# KiCad board FC_V5c.kicad_pcb (continued)
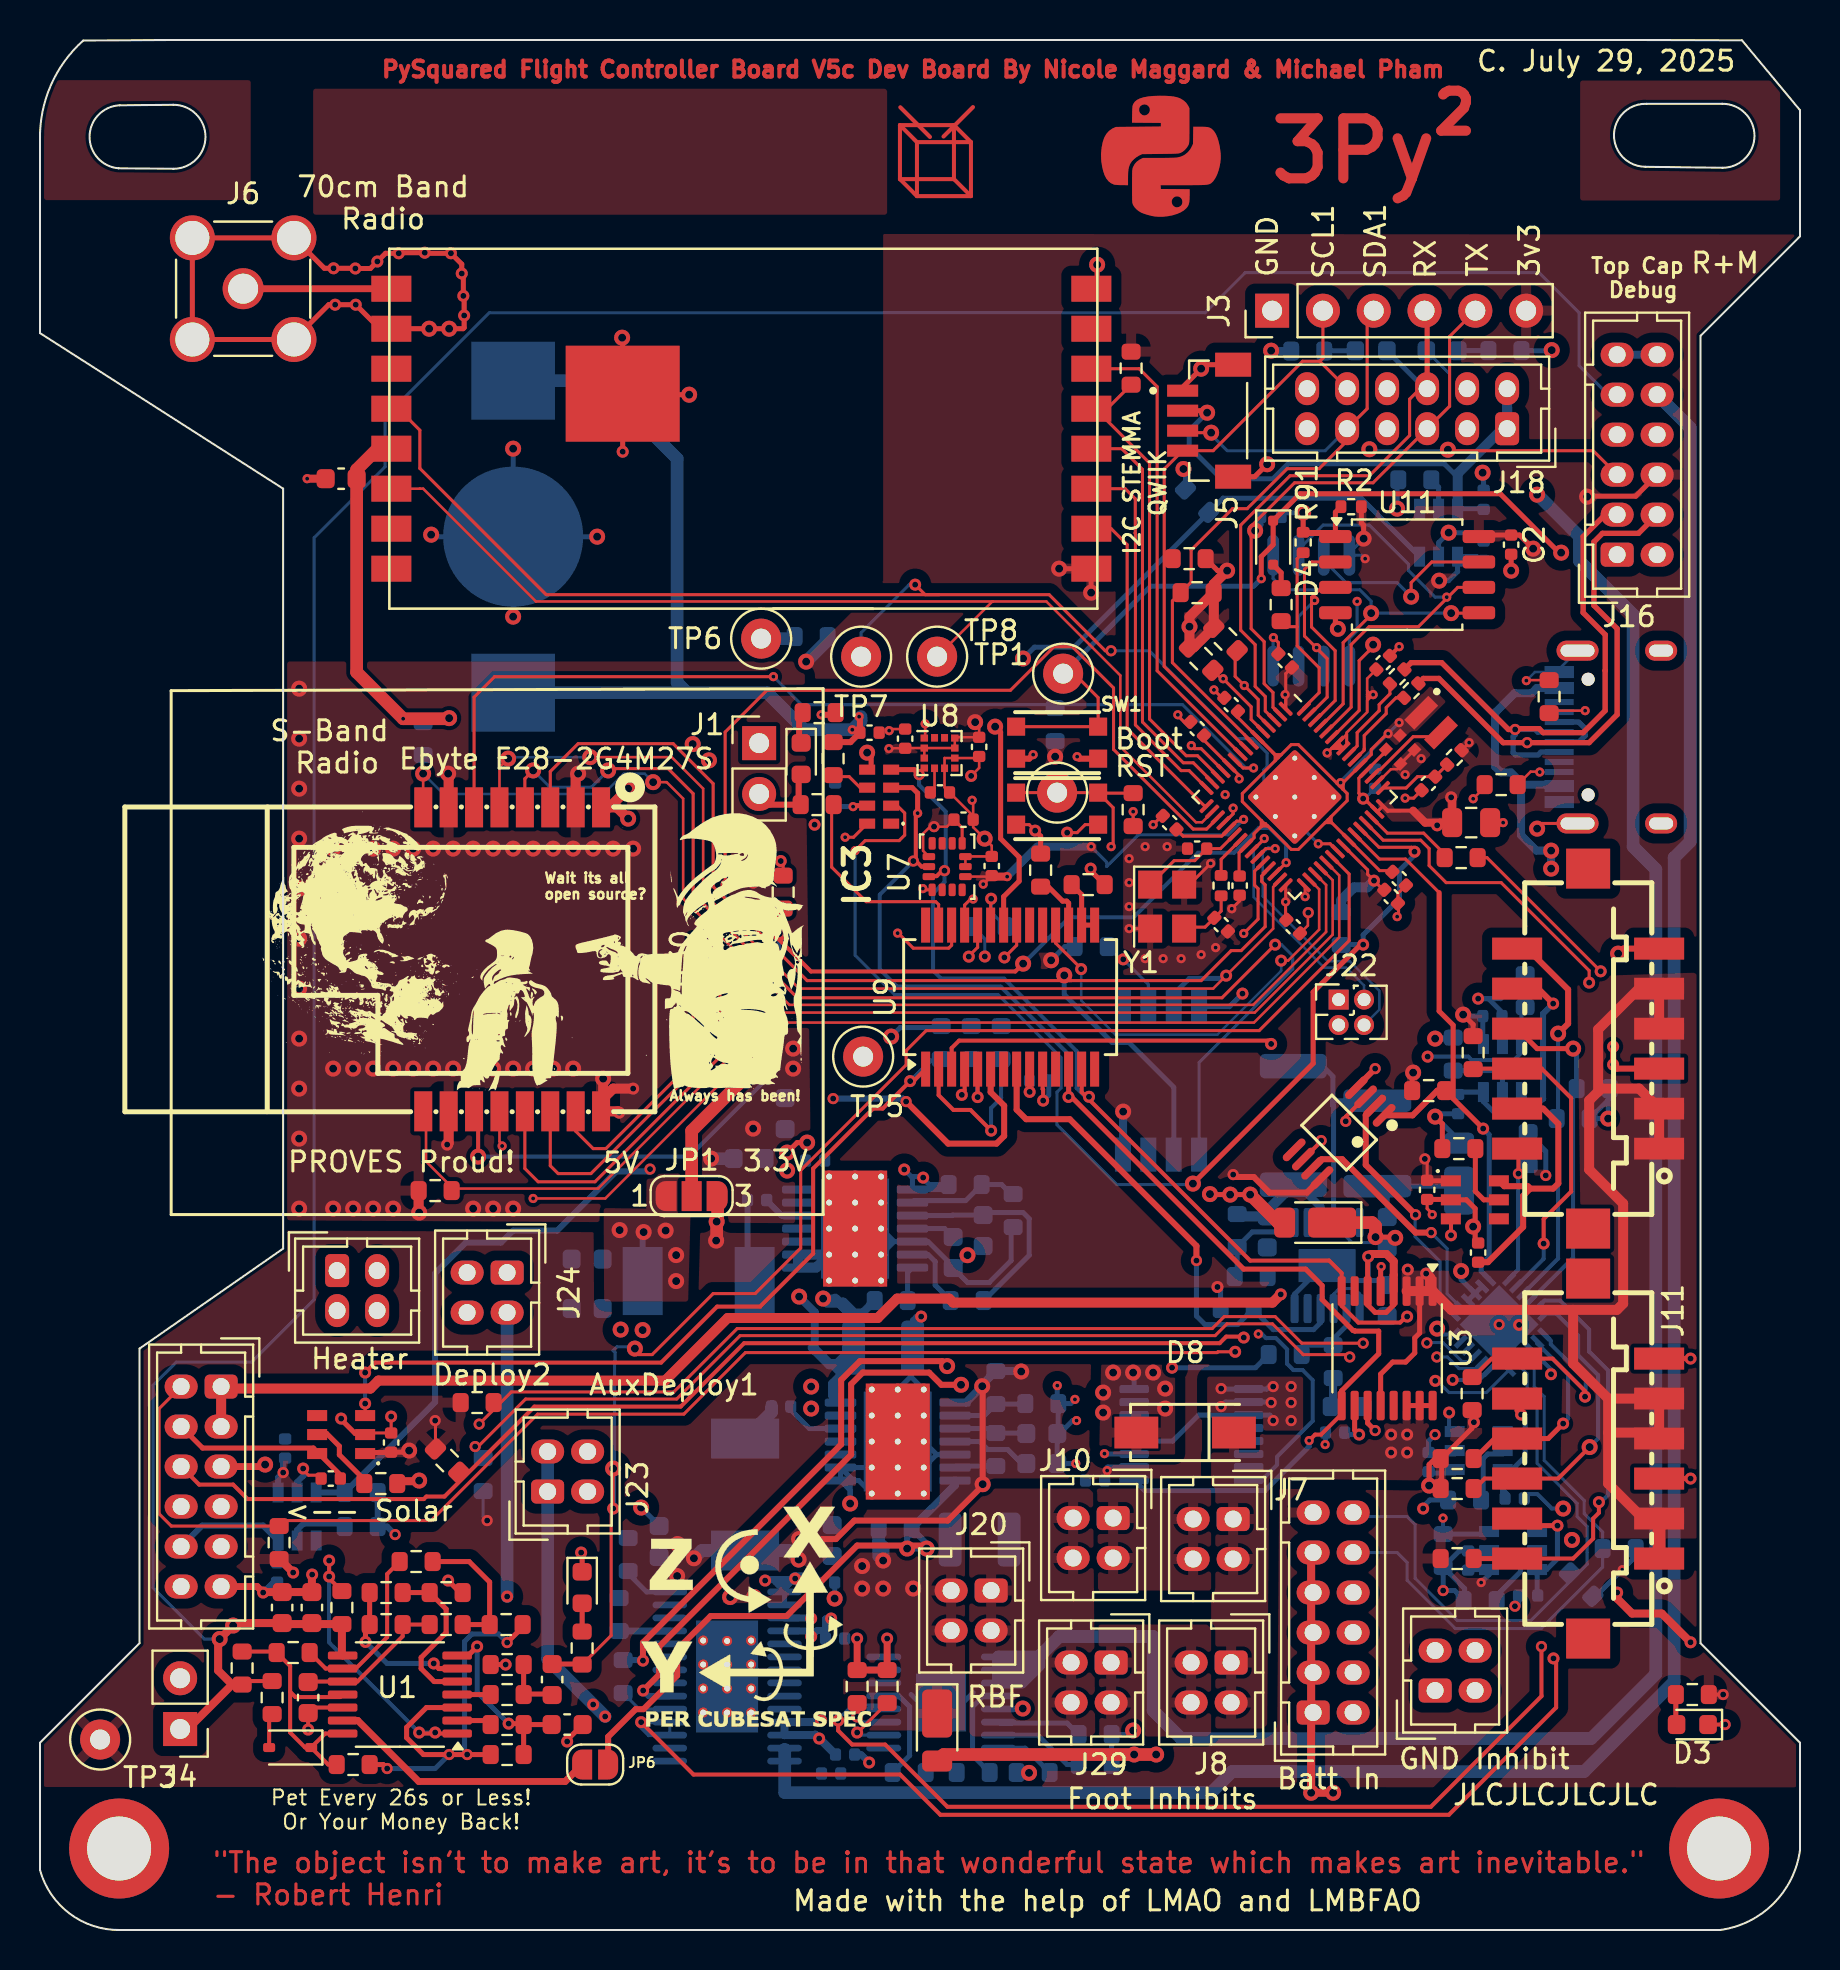
[diagram p0: board, top side]
## Library data of the parts
BT1 = -: LCSC Part: C964818
C1 C3 = -: LCSC: C96446
C2 C67 C70-C74 C76-C78 = -: LCSC: C1525; ki_fp_filters: C_*
C4 C37 = -: Description: 1uF 0603 X7R; LCSC: C15849
C5 C6 C18 C26 C27 C29 C30 C32-C35 C38 C39 C44 C47-C53 C55 C59 C60 C79 C80 = -: LCSC: C1525
C7 C8 C15 C16 = -: Description: 22uF +-20% 10V X5R; LCSC: C59461
C9 C36 = -: Description: 3.3nF +-10% 100V X7R 0603; LCSC: C1613
C14 = -: Description: 10uF +-20% 10V X5R; LCSC: C96446; ki_fp_filters: C_*
C19 C25 = -: Description: 100uF 16V X5R 1210
C20-C24 = -: Description: 10 µF ±10% 16V Ceramic Capacitor X5R 0603 (1608 Metric); DPN: 490-12317-1-ND; DST: Digi-Key; MFR: Murata; MPN: GRT188R61C106KE13D; LCSC: C96446; ki_fp_filters: C_*
C31 C54 C56-C58 = -: LCSC: C16772
C40 C42 = -: Description: 10uF +-20% 10V X5R; LCSC: C96446
C41 = -: Description: 10uF +-20% 10V X5R; LCSC: C15849
C63-C66 C68 C69 C75 = -: ki_fp_filters: C_*
D1-D3 D5 = -: ki_fp_filters: LED* LED_SMD:* LED_THT:*
D4 = -: Datasheet: https://fscdn.rohm.com/en/products/databook/datasheet/discrete/diode/switching/1ss355vmte-17-e.pdf; Sim.Device: D; Sim.Pins: 1=K 2=A; ki_fp_filters: D*SOD?323F*
D6 = -: Description: Green 520nm LED Indication - Discrete 3.2V 0603 (1608 Metric) - 430 mcd @ 20 mA; DPN: 732-4971-1-ND; DST: Digi-Key; MFR: Wurth; MPN: 150060GS75000; ki_fp_filters: LED* LED_SMD:* LED_THT:*
D7 = -: Datasheet: https://www.vishay.com/docs/85847/1n4151ws.pdf; Description: Diode Standard 50V 150mA Surface Mount SOD-323; DPN: 112-1N4151WS-E3-08CT-ND; DST: Digi-Key; MFR: Vishay; MPN: 1N4151WS-E3-08
D8 = -: LCSC Part: C2892544
D12 = -: Description: Schottky diode; Flight: DFLS130L-7; Manufacturer_Name: Diodes Incorporated; Manufacturer_Part_Number: DFLS130L-7; DNI: DNI; ki_fp_filters: TO-???* *_Diode_* *SingleDiode* D_*
D13 = -: ki_fp_filters: TO-???* *_Diode_* *SingleDiode* D_*
D15 = -: Datasheet: https://www.diodes.com/assets/Datasheets/DFLS130L.pdf; Description: Schottky diode; Flight: DFLS130L-7; Manufacturer_Name: Diodes Incorporated; Manufacturer_Part_Number: DFLS130L-7; DNI: DNI; ki_fp_filters: TO-???* *_Diode_* *SingleDiode* D_*
H1 H2 = -: Description: Mounting Hole without connection; ki_fp_filters: MountingHole*
IC3 = -: Datasheet: https://www.mouser.de/datasheet/2/530/RV_3028_C7-1524919.pdf; Description: Real Time Clock 32.768kHz I2C Time Acc. 1ppm; Height: 0.8; Mouser Part Number: 428-203591-MG01; Mouser Price/Stock: https://www.mouser.co.uk/ProductDetail/Micro-Crystal/RV-3028-C7-32.768kHz-1ppm-TA-QC?qs=u16ybLDytRaU7ZFJl2AxfQ%3D%3D; Manufacturer_Name: Micro Crystal AG; Manufacturer_Part_Number: RV-3028-C7 32.768kHz 1ppm TA QC
IC6 = -: Datasheet: https://www.analog.com/media/en/technical-documentation/data-sheets/3652fe.pdf; Description: Battery Management Power Tracking 2A Battery Charger for Solar Power; Height: 1.1; Mouser Part Number: 584-LT3652IMSE#PBF; Mouser Price/Stock: https://www.mouser.co.uk/ProductDetail/Analog-Devices/LT3652IMSEPBF?qs=hVkxg5c3xu%2FU%2FMmx%252BnQrjg%3D%3D; Manufacturer_Name: Analog Devices
J1 J4 = -: Description: Generic connector, single row, 01x02, script generated (kicad-library-utils/schlib/autogen/connector/); ki_fp_filters: Connector*:*_1x??_*
J2 J11 = -: LCSC Part: C17223851
J3 = -: ki_fp_filters: Connector*:*_1x??_*
J5 = -: MANUFACTURER: JST Sales America Inc.; MAXIMUM_PACKAGE_HEIGHT: 6.3 mm; PARTREV: N/A; STANDARD: Manufacturer Recommendations
J6 = -: LCSC: C3174425; ki_fp_filters: *BNC* *SMA* *SMB* *SMC* *Cinch* *LEMO*
J7 J8 J10 J19-J24 J29 = -: Description: Generic connector, double row, 02x02, odd/even pin numbering scheme (row 1 odd numbers, row 2 even numbers), script generated (kicad-library-utils/schlib/autogen/connector/); ki_fp_filters: Connector*:*_2x??_*
J12 = -: Datasheet: https://www.usb.org/sites/default/files/documents/usb_type-c.zip; Description: USB 2.0-only 16P Type-C Receptacle connector; ki_fp_filters: USB*C*Receptacle*
J14 J16-J18 = -: Description: Generic connector, double row, 02x06, odd/even pin numbering scheme (row 1 odd numbers, row 2 even numbers), script generated (kicad-library-utils/schlib/autogen/connector/); ki_fp_filters: Connector*:*_2x??_*
JP1 = -: Description: Vertical Header - 0.1in (2.54mm); DNI: DNI; ki_fp_filters: Jumper* TestPoint*3Pads* TestPoint*Bridge*
JP6 = -: ki_fp_filters: SolderJumper*Open*
L2 = -: Datasheet: https://datasheet.lcsc.com/szlcsc/1910111502_3L-COILS-SNR5040K-330M_C326321.pdf; Description: 33uH Shielded Inductor; Flight: SLF6028T-330MR69-PF; Manufacturer_Name: 3L COILS; Manufacturer_Part_Number: SNR5040K-330M; Proto: SNR5040K-330M; ki_fp_filters: Choke_* *Coil* Inductor_* L_*
L3 = -: ki_fp_filters: Choke_* *Coil* Inductor_* L_*
L4 = -: Datasheet: https://lcsc.com/product-detail/Power-Inductors_TDK-SPM6530T-3R3M-HZ_C404816.html; Description: 3.3uH; LCSC Part: C404816
L5 = -: Datasheet: https://lcsc.com/product-detail/Others_TDK-SPM6530T-4R7M-HZ_C360729.html; Description: 4.7uH; LCSC Part: C360729
R1 R5 R11 R14 R24 R52 R90 = -: Description: 100K 0603; LCSC: C25804
R2 R9 R91 R93 R94 = -: ki_fp_filters: R_*
R3 R4 R10 R12 R64 = -: Description: 100K 0603; LCSC: C21190
R6 R25 R39 R41 R44 R45 R53 R56-R62 R72 R73 R88 R89 = -: Description: 100K 0603; LCSC: C23162
R7 R8 = -: Description: USB Termination Resistor
R13 R83 R84 = -: Description: 10k 0603; LCSC: C25804
R15 R70 = -: Description: 100K 0603; ki_fp_filters: R_*
R16-R18 R22 R28 R124 R125 = -: Description: 10 kOhms ±1% 0.1W, 1/10W Chip Resistor 0603 (1608 Metric) Automotive AEC-Q200 Thick Film; DPN: RMCF0603FT10K0CT-ND; DST: Digi-Key; MFR: Stackpole Electronics Inc; MPN: RMCF0603FT10K0; LCSC: C25804; ki_fp_filters: R_*
R19-R21 = -: Description: 3 kOhms ±1% 0.1W, 1/10W Chip Resistor 0603 (1608 Metric) Automotive AEC-Q200 Thick Film; DPN: RMCF0603FT3K00CT-ND; DST: Digi-Key; MFR: Stackpole Electronics Inc; MPN: RMCF0603FT3K00; ki_fp_filters: R_*
R23 = -: Description: 22.1K 0603; LCSC: C311902
R26 R27 = -: Description: 5.1k 0603; LCSC: C23186
R29 R31 = -: Description: 1 kOhms ±1% 0.1W, 1/10W Chip Resistor 0603 (1608 Metric) Automotive AEC-Q200 Thick Film; DPN: RMCF0603FT1K00CT-ND; DST: Digi-Key; MFR: Stackpole Electronics Inc; MPN: RMCF0603FT1K00; LCSC: C21190; ki_fp_filters: R_*
R30 R32-R34 R36 = -: Description: 100 kOhms ±5% 0.1W, 1/10W Chip Resistor 0603 (1608 Metric) Automotive AEC-Q200 Thick Film; DPN: RMCF0603FT100KCT-ND; DST: Digi-Key; MFR: Stackpole Electronics Inc; MPN: RMCF0603FT100K; LCSC: C25803; ki_fp_filters: R_*
R35 = -: Description: 4.7 MOhms ±1% 0.1W, 1/10W Chip Resistor 0603 (1608 Metric) Automotive AEC-Q200 Thick Film; DPN: RMCF0603FT4M70CT-ND; DST: Digi-Key; MFR: Stackpole Electronics Inc; MPN: RMCF0603FT4M70; ki_fp_filters: R_*
R38 = -: Description: 73.2K 0603
R40 R42 = -: Description: 22.1K 0603; LCSC: C137768
R43 R63 R101 = -: Description: 100K 0603; LCSC: C25803
R46-R51 R86 = -: Description: 47 kOhms ±1% 0.1W, 1/10W Chip Resistor 0603 (1608 Metric) Automotive AEC-Q200 Thick Film; DPN: RMCF0603FT47K0CT-ND; DST: Digi-Key; MFR: Stackpole Electronics Inc; MPN: RMCF0603FT47K0; LCSC: C25819; ki_fp_filters: R_*
R54 R55 R82 R85 = -: Description: 15k 0603; LCSC: C22809
R65 = -: Description: 200K 0603; LCSC: C25803; ki_fp_filters: R_*
R66-R68 R76-R80 R87 R92 R95-R97 = -: Description: 787K 0603; LCSC: C25803
R69 R71 R74 R75 = -: Description: 787K 0603
R81 = -: Description: 1k 0603; LCSC: C21190
R100 R103 R104 = -: Description: 4.7K 0603; LCSC: C23162
R102 = -: Description: 1K 0603; LCSC: C21190
TP1-TP3 TP5-TP8 = -: ki_fp_filters: Pin* Test*
U1 = -: Datasheet: https://www.ti.com/lit/ds/symlink/tlv1704-sep.pdf; Description: Analog Comparators 2.2-V to 36-V, radiation tolerant microPower quad comparator in space enhanced plastic 14-TSSOP -55 to 125; MFR: Texas Instruments; MPN: TLV1704AQPWRQ1; DST: Digi-Key; DPN: 296-43799-2-ND; ki_fp_filters: SOIC*3.9x8.7mm*P1.27mm* TSSOP*4.4x5mm*P0.65mm*
U2 = -: Description: http://www.zettadevice.com/upload/file/pdf/Zetta%20SD%20Nand%20DS.pdf; LCSC Part: C2875854
U3 U26 = -: Datasheet: http://www.ti.com/lit/ds/symlink/ina260.pdf; Description: Current/power/voltage monitor with Integrated 2mΩ Shunt Resistor, 2.7V - 5.5V, I2C, TSSOP-16; LCSC: C2155885; ki_fp_filters: TSSOP*4.4x5mm*P0.65mm*
U4 = -: Description: 433 MHz 1W Radio; Manufacturer_Name: HopeRF
U5 = -: LCSC Part: C18214056
U6 = -: Datasheet: https://lcsc.com/product-detail/New-Arrivals_Texas-Instruments-Texas-Instruments-TPS4H160AQPWPRQ1_C485918.html; Description: Quad channel automotive load switch; LCSC Part: C485918
U7 = -: Datasheet: https://www.st.com/resource/en/datasheet/lsm6dso.pdf; ki_fp_filters: LGA-14L_2P5X3X0P86_STM LGA-14L_2P5X3X0P86_STM-M LGA-14L_2P5X3X0P86_STM-L
U8 = -: Datasheet: https://www.st.com/content/ccc/resource/technical/document/datasheet/74/c4/19/54/62/c5/46/13/DM00177685.pdf/files/DM00177685.pdf/jcr:content/translations/en.DM00177685.pdf; ki_fp_filters: SON_03AGRTR_STM SON_03AGRTR_STM-M SON_03AGRTR_STM-L
U9 = -: Datasheet: https://ww1.microchip.com/downloads/aemDocuments/documents/APID/ProductDocuments/DataSheets/MCP23017-Data-Sheet-DS20001952.pdf; Description: 16-bit I/O expander, I2C, interrupts, w pull-ups, SSOP-28; LCSC: C558584; ki_fp_filters: SSOP*5.3x10.2mm*P0.65mm*
U10 = -: Datasheet: https://www.ti.com/lit/gpn/tps54226; Description: 3.3V Switching Regulator; Flight: TPS54226PWPR; Manufacturer_Name: Texas Instruments; Manufacturer_Part_Number: TPS54226PWPR; Proto: TPS54226PWPR
U11 = -: Datasheet: http://www.winbond.com/resource-files/w25q128jv_dtr%20revc%2003272018%20plus.pdf; LCSC: C97521; ki_fp_filters: SOIC*5.23x5.23mm*P1.27mm*
U12 = -: MF: Texas Instruments; Description_1: Automotive 8-channel 1.65- to 5.25v I2C/SMBus switch with reset & voltage translation; COPYRIGHT: Copyright (C) 2024 Ultra Librarian. All rights reserved.; Package: VQFN-24 Texas Instruments; Price: None; Check_prices: https://www.snapeda.com/parts/TCA9548ARGERQ1/Texas+Instruments/view-part/?ref=eda; Availability: In Stock; SnapEDA_Link: https://www.snapeda.com/parts/TCA9548ARGERQ1/Texas+Instruments/view-part/?ref=snap; MFR_NAME: Texas Instruments
U13 = -: Datasheet: https://www.ti.com/lit/gpn/tps54226; Description: 3.3V Switching Regulator; Flight: TPS54226PWPR; Manufacturer_Name: Texas Instruments; Manufacturer_Part_Number: TPS54226PWPR; Proto: TPS54226PWPR; LCSC: C555460
U14 = -: Datasheet: ttps://www.ti.com/lit/ds/symlink/tca4307.pdf?ts=1753783859851; LCSC Part: C880333
U18 = -: Datasheet: https://datasheets.raspberrypi.com/rp2350/rp2350-datasheet.pdf; LCSC: C42411118
U19 U21-U24 U27 U29 = -: LCSC: C1511768
U25 = -: Datasheet: https://www.ti.com/lit/ds/symlink/tps2hb50-q1.pdf?ts=1747428220473&ref_url=https%253A%252F%252Fwww.ti.com%252Fproduct%252FTPS2HB50-Q1%252Fpart-details%252FTPS2HB50AQPWPRQ1%253FkeyMatch%253DTPS2HB50AQPWPRQ1%2526tisearch%253Duniversal_search%2526usecase%253DOPN; LCSC Part: C1857514
U30 = -: Datasheet: https://lcsc.com/product-detail/Wireless-Modules_Chengdu-Ebyte-Elec-Tech-E28-2G4M27S_C411312.html; LCSC Part: C411312
Y1 = -: ki_fp_filters: Crystal*

## Footprints (pads in the part's own frame, mm; a bottom-side part is the same pattern mirrored in y, then rotated)
BAT-SMD_MY-1220-03
  rect 3.9x4.18 smd: 1(-7.8,0) 2(7.8,0)
  round 7 smd: 3(0,0)
BTN_KMR2_4.6X2.8
  rect 0.9x0.9 smd: A(2.05,0.8) A'(-2.05,0.8) B(2.05,-0.8) B'(-2.05,-0.8)
C_0402_1005Metric
  rrect 0.56x0.62 smd: 1(-0.48,0) 2(0.48,0)
C_0402_1005Metric_small_pads
  rect 0.47x0.53 smd: 1(-0.515,0) 2(0.515,0)
C_0603_1608Metric
  rrect 0.9x0.95 smd: 1(-0.775,0) 2(0.775,0)
C_0805_2012Metric
  rrect 1x1.45 smd: 1(-0.95,0) 2(0.95,0)
C_1210_3225Metric
  rrect 1.15x2.7 smd: 1(-1.475,0) 2(1.475,0)
CONN-SMD_12P-P2.00_DF11CZ-12DP
  rect 1.1x2.5 smd: 1(-5,-3.55) 2(-5,3.55) 3(-3,-3.55) 4(-3,3.55) 5(-1,-3.55) 6(-1,3.55) 7(1,-3.55) 8(1,3.55) 9(3,-3.55) 10(3,3.55) 11(5,-3.55) 12(5,3.55)
  rect 2x2.2 smd: 13(9,0) 14(-9,0)
Crystal_SMD_3225-4Pin_3.2x2.5mm
  rect 1.4x1.2 smd: 1(-1.1,-0.85) 2(1.1,-0.85) 3(1.1,0.85) 4(-1.1,0.85)
D_PowerDI-123
  rrect 2.4x1.5 smd: 1(-0.85,0)
  rrect 1.05x1.5 smd: 2(1.525,0)
D_SOD-323
  rrect 0.6x0.45 smd: 1(-1.05,0) 2(1.05,0)
D_SOD-323F
  rrect 0.5x0.5 smd: 1(-1.1,0) 2(1.1,0)
Hirose_DF11-4DP-2DSA_2x02_P2.00mm_Vertical
  rrect 1.2x1.65 hole 0.85: 1(0,0)
  oval 1.2x1.65 hole 0.85: 2(0,-2) 3(2,0) 4(2,-2)
Hirose_DF11-12DP-2DSA_2x06_P2.00mm_Vertical
  rrect 1.2x1.65 hole 0.85: 1(0,0)
  oval 1.2x1.65 hole 0.85: 2(0,-2) 3(2,0) 4(2,-2) 5(4,0) 6(4,-2) 7(6,0) 8(6,-2) 9(8,0) 10(8,-2) 11(10,0) 12(10,-2)
HTSSOP-14-1EP_4.4x5mm_P0.65mm_EP3.4x5mm_Mask3x3.1mm_ThermalVias
  rrect 1.21x1.25 smd: (-0.75,-0.775) (-0.75,0.775) (0.75,-0.775) (0.75,0.775)
  rect 3x3.1 smd: (0,0)
  rrect 1.575x0.4 smd: 1(-2.862,1.95) 2(-2.862,1.3) 3(-2.862,0.65) 4(-2.862,0) 5(-2.862,-0.65) 6(-2.862,-1.3) 7(-2.862,-1.95) 8(2.862,-1.95) 9(2.862,-1.3) 10(2.862,-0.65) 11(2.862,0) 12(2.862,0.65) 13(2.862,1.3) 14(2.862,1.95)
  round 0.6 hole 0.3: 15(-1.3,-2.6) 15(-1.3,-1.3) 15(-1.3,0) 15(-1.3,1.3) 15(-1.3,2.6) 15(0,-2.6) 15(0,-1.3) 15(0,0) 15(0,1.3) 15(0,2.6) 15(1.3,-2.6) 15(1.3,-1.3) 15(1.3,0) 15(1.3,1.3) 15(1.3,2.6)
  rect 3.2x5.8 smd far side: 15(0,0)
  rect 3.4x5 smd: 15(0,0)
HTSSOP-16_L5.0-W4.4-P0.65-LS6.4-BL-EP-2
  oval 0.34x1.75 smd: 1(-2.28,-2.87) 2(-1.63,-2.87) 3(-0.98,-2.87) 4(-0.32,-2.87) 5(0.33,-2.87) 6(0.98,-2.87) 7(1.63,-2.87) 8(2.28,-2.87) 9(2.28,2.87) 10(1.63,2.87) 11(0.98,2.87) 12(0.33,2.87) 13(-0.32,2.87) 14(-0.98,2.87) 15(-1.63,2.87) 16(-2.28,2.87)
  rect 2.9x2.5 smd: 17(0,0)
HTSSOP-28_L9.7-W4.4-P0.65-LS6.4-BL-EP
  oval 0.34x1.73 smd: 1(-4.23,-2.87) 2(-3.58,-2.87) 3(-2.93,-2.87) 4(-2.28,-2.87) 5(-1.63,-2.87) 6(-0.98,-2.87) 7(-0.32,-2.87) 8(0.33,-2.87) 9(0.98,-2.87) 10(1.63,-2.87) 11(2.28,-2.87) 12(2.93,-2.87) 13(3.58,-2.87) 14(4.23,-2.87) 15(4.23,2.87) 16(3.58,2.87) 17(2.93,2.87) 18(2.28,2.87) 19(1.63,2.87) 20(0.98,2.87) 21(0.33,2.87) 22(-0.32,2.87) 23(-0.98,2.87) 24(-1.63,2.87) 25(-2.28,2.87) 26(-2.93,2.87) 27(-3.58,2.87) 28(-4.23,2.87)
  round 0.5 hole 0.3: 29(-1.8,-1.2) 29(-1.8,0) 29(-1.8,1.2) 29(-0.6,-1.2) 29(-0.6,0) 29(-0.6,1.2) 29(0.6,-1.2) 29(0.6,0) 29(0.6,1.2) 29(1.78,0) 29(1.8,-1.2) 29(1.8,1.2)
  rect 5.6x3.1 smd: 29(0,0)
IND-SMD_L7.1-W6.5
  rect 2x3.4 smd: 1(-2.8,0) 2(2.8,0)
IND-SMD_L7.1-W6.5-P5.60
  rect 2x3.4 smd: 1(-2.8,0) 2(2.8,0)
JST_BM04B-SRSS-TB(LF)(SN)
  rect 0.6x1.55 smd: 1(-1.5,-2.525) 2(-0.5,-2.525) 3(0.5,-2.525) 4(1.5,-2.525)
  rect 1.2x1.8 smd: S1(-2.8,0) S2(2.8,0)
L_1812_4532Metric
  rrect 1.125x3.4 smd: 1(-2.138,0) 2(2.138,0)
L_pol_2016
  rect 0.7x1.7 smd: 1(-0.7,0) 2(0.7,0)
LED_0603_1608Metric
  rrect 0.875x0.95 smd: 1(-0.788,0) 2(0.788,0)
LGA-8_L8.0-W6.0-P1.27-TL-1
  rect 1.7x0.8 smd: 1(-3.7,1.91) 2(-3.7,0.64) 3(-3.7,-0.63) 4(-3.7,-1.9) 5(3.7,-1.9) 6(3.7,-0.63) 7(3.7,0.64) 8(3.7,1.91)
LGA-12_2x2mm_P0.5mm
  rect 0.375x0.35 smd: 1(-0.762,0.75) 2(-0.762,0.25) 3(-0.762,-0.25) 4(-0.762,-0.75) 7(0.762,-0.75) 8(0.762,-0.25) 9(0.762,0.25) 10(0.762,0.75)
  rect 0.35x0.375 smd: 5(-0.25,-0.762) 6(0.25,-0.762) 11(0.25,0.762) 12(-0.25,0.762)
LGA-14_3x2.5mm_P0.5mm_LayoutBorder3x4y
  rrect 0.625x0.35 smd: 1(-1.163,0.75) 2(-1.163,0.25) 3(-1.163,-0.25) 4(-1.163,-0.75) 8(1.163,-0.75) 9(1.163,-0.25) 10(1.163,0.25) 11(1.163,0.75)
  rrect 0.35x0.625 smd: 5(-0.5,-0.912) 6(0,-0.912) 7(0.5,-0.912) 12(0.5,0.912) 13(0,0.912) 14(-0.5,0.912)
MSOP-12-1EP_3x4mm_P0.65mm_EP1.65x2.85mm
  rrect 0.67x1.15 smd: (-0.41,-0.71) (-0.41,0.71) (0.41,-0.71) (0.41,0.71)
  rrect 1.45x0.4 smd: 1(-2.15,1.625) 2(-2.15,0.975) 3(-2.15,0.325) 4(-2.15,-0.325) 5(-2.15,-0.975) 6(-2.15,-1.625) 7(2.15,-1.625) 8(2.15,-0.975) 9(2.15,-0.325) 10(2.15,0.325) 11(2.15,0.975) 12(2.15,1.625)
  rect 1.65x2.85 smd: 13(0,0)
PinHeader_1x02_P2.54mm_Vertical
  rect 1.7x1.7 hole 1: 1(0,0)
  round 1.7 hole 1: 2(0,-2.54)
PinHeader_1x02_P2.54mm_Vertical#2
  rect 1.7x1.7 hole 1: 1(0,0)
  oval 1.7x1.7 hole 1: 2(0,-2.54)
PinHeader_1x06_P2.54mm_Vertical
  rect 1.7x1.7 hole 1: 1(0,0)
  oval 1.7x1.7 hole 1: 2(0,-2.54) 3(0,-5.08) 4(0,-7.62) 5(0,-10.16) 6(0,-12.7)
PinHeader_2x02_P1.27mm_Vertical
  rect 1x1 hole 0.65: 1(0,0)
  oval 1x1 hole 0.65: 2(1.27,0) 3(0,-1.27) 4(1.27,-1.27)
QFN_GERQ1_TEX
  rect 0.783x0.255 smd: 1(-1.953,1.25) 2(-1.953,0.75) 3(-1.953,0.25) 4(-1.953,-0.25) 5(-1.953,-0.75) 6(-1.953,-1.25) 13(1.953,-1.25) 14(1.953,-0.75) 15(1.953,-0.25) 16(1.953,0.25) 17(1.953,0.75) 18(1.953,1.25)
  rect 0.255x0.783 smd: 7(-1.25,-1.953) 8(-0.75,-1.953) 9(-0.25,-1.953) 10(0.25,-1.953) 11(0.75,-1.953) 12(1.25,-1.953) 19(1.25,1.953) 20(0.75,1.953) 21(0.25,1.953) 22(-0.25,1.953) 23(-0.75,1.953) 24(-1.25,1.953)
  rect 2.794x2.794 smd: 25(0,0)
R_0402_1005Metric
  rrect 0.54x0.64 smd: 1(-0.51,0) 2(0.51,0)
R_0603_1608Metric
  rrect 0.8x0.95 smd: 1(-0.825,0) 2(0.825,0)
R_2512_6332Metric
  rrect 1.225x3.35 smd: 1(-2.962,0) 2(2.962,0)
RFM98PW
  rect 2x1.3 smd: 1(17.6,-7.5) 2(17.6,-5.5) 3(17.6,-3.5) 4(17.6,-1.5) 5(17.6,0.5) 6(17.6,2.5) 7(17.6,4.5) 8(17.6,6.5) 9(-17.4,6.5) 10(-17.4,4.5) 11(-17.4,2.5) 12(-17.4,0.5) 13(-17.4,-1.5) 14(-17.4,-3.5) 15(-17.4,-5.5) 16(-17.4,-7.5)
  rect 5.7x4.8 smd: 17(6.032,-2.25)
RP2350-QFN-60-1EP_7x7_P0.4mm_EP3.4x3.4mm_ThermalVias
  rrect 1.2x1.2 smd: (-0.7,0.7) (-0.7,-0.7) (0.7,0.7) (0.7,-0.7)
  rrect 0.875x0.2 smd: 1(-3.438,2.8) 2(-3.438,2.4) 3(-3.438,2) 4(-3.438,1.6) 5(-3.438,1.2) 6(-3.438,0.8) 7(-3.438,0.4) 8(-3.438,0) 9(-3.438,-0.4) 10(-3.438,-0.8) 11(-3.438,-1.2) 12(-3.438,-1.6) 13(-3.438,-2) 14(-3.438,-2.4) 15(-3.438,-2.8) 31(3.438,-2.8) 32(3.438,-2.4) 33(3.438,-2) 34(3.438,-1.6) 35(3.438,-1.2) 36(3.438,-0.8) 37(3.438,-0.4) 38(3.438,0) 39(3.438,0.4) 40(3.438,0.8) 41(3.438,1.2) 42(3.438,1.6) 43(3.438,2) 44(3.438,2.4) 45(3.438,2.8)